# Altium PCB PCB1.PcbDoc (part 1 of 2) (continued)
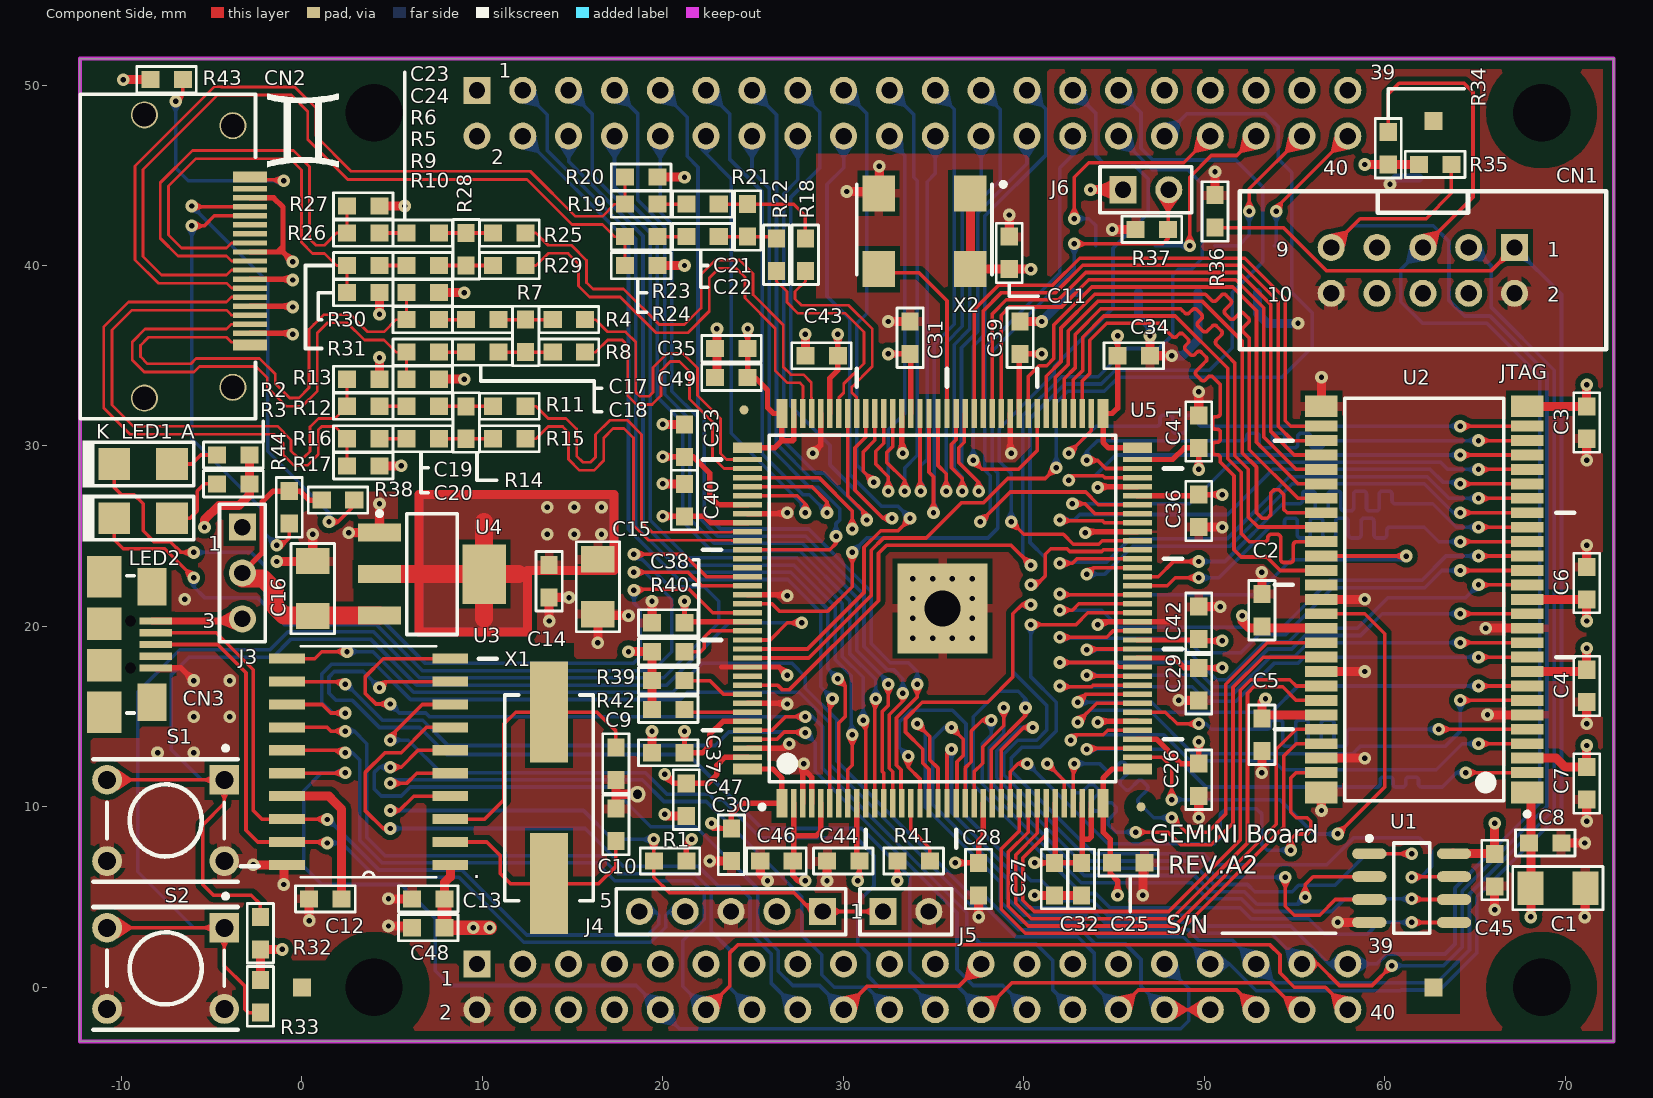
[diagram p0: Component Side view]
## Footprints (in the part's own frame and the unit in brackets; to place one, negate y for a bottom-side part, rotate by r counter-clockwise, add the part's x,y. Pads: shape width x height; smd on the part's side, far side on the other; paste and mask are expansions set on the pad)
10029449-001RLF [mm]
  rect 0.6x1.9 smd paste+0 mask+0.1: 1(4.9,2.925) 19(-4.4,2.925)
  rect 0.3x1.9 smd paste+0 mask+0.1: 2(4.25,2.925) 3(3.75,2.925) 4(3.25,2.925) 5(2.75,2.925) 6(2.25,2.925) 7(1.75,2.925) 8(1.25,2.925) 9(0.75,2.925) 10(0.25,2.925) 11(-0.25,2.925) 12(-0.75,2.925) 13(-1.25,2.925) 14(-1.75,2.925) 15(-2.25,2.925) 16(-2.75,2.925) 17(-3.25,2.925) 18(-3.75,2.925)
  round 1.5 hole 1.3 paste+0 mask+0.1: ""(-7.85,-2.925) ""(-7.25,1.975) ""(7.25,1.975) ""(7.85,-2.925)
  silkscreen extent -9,-6.47 9,3.23, body extent -8.1,-6.57 8.1,3.33, height 5.98
ABLS-25.000MHZ-B2F-T [mm]
  rect 5.6x2.1 smd mask+0.1: 1(-4.75,0) 2(4.75,0)
  silkscreen extent -5.7,-2.45 5.7,2.45, body extent -5.5,-2.5 5.5,2.5, height 4.2
CHIP1608 [mm] "Chip Resistor, 2-Leads, Body 1.60x0.80mm, IPC Low Density"
  rect 1x0.95 smd mask+0.1: 1(-0.9,0) 2(0.9,0)
  Component Side pour cut-out: -0.4,0.729 -0.4,-0.729 0.4,-0.729 0.4,0.729
  silkscreen extent -1.65,-0.72 1.65,0.72, body extent -0.8,-0.4 0.8,0.4, height 0.45
CHIP3216 [mm] "Chip Capacitor, 2-Leads, Body 3.20x1.60mm, IPC Low Density"
  rect 1.45x1.85 smd: 1(-1.525,0) 2(1.525,0)
  Component Side pour cut-out: -0.8,1.179 -0.8,-1.179 0.8,-1.179 0.8,1.179
  silkscreen extent -2.5,-1.2 2.5,1.2, body extent -1.6,-0.8 1.6,0.8, height 0.6
CWX823-50.0M [mm]
  rect 1.8x2 smd: 1(-2.54,-2.1) 2(2.54,-2.1) 3(2.54,2.1) 4(-2.54,2.1)
  silkscreen extent -4.49,-2.72 3.76,2.4, body extent -3.5,-2.5 3.5,2.5, height 1.3
HDR1X2 [mm] "Connector; Header; 2 Position"
  rect 1.5x1.5 hole 0.9: 1(0,0)
  round 1.5 hole 0.9: 2(2.54,0)
  silkscreen extent -1.27,-1.27 3.81,1.27, body extent -1.29,-1.15 3.79,1.26, height 8.18
HDR1X3 [mm] "Connector; Header; 3 Position"
  rect 1.5x1.5 hole 0.9 paste+0 mask+0.1: 1(0,0)
  round 1.5 hole 0.9 paste+0 mask+0.1: 2(2.54,0) 3(5.08,0)
  silkscreen extent -1.27,-1.27 6.35,1.27, body extent -1.27,-1.21 6.35,1.21, height 8.18
HDR1X5 [mm] "Connector; Header; 5 Position"
  rect 1.5x1.5 hole 0.9: 1(0,0)
  round 1.5 hole 0.9: 2(2.54,0) 3(5.08,0) 4(7.62,0) 5(10.16,0)
  silkscreen extent -1.27,-1.27 11.43,1.27
HDR2X20-Gemini [mm] "Connector; Header; 20x2 Position"
  rect 1.5x1.5 hole 0.9: 1(0,0)
  round 1.5 hole 0.9: 2(0,2.54) 3(2.54,0) 4(2.54,2.54) 5(5.08,0) 6(5.08,2.54) 7(7.62,0) 8(7.62,2.54) 9(10.16,0) 10(10.16,2.54) 11(12.7,0) 12(12.7,2.54) 13(15.24,0) 14(15.24,2.54) 15(17.78,0) 16(17.78,2.54) 17(20.32,0) 18(20.32,2.54) 19(22.86,0) 20(22.86,2.54) 21(25.4,0) 22(25.4,2.54) 23(27.94,0) 24(27.94,2.54) 25(30.48,0) 26(30.48,2.54) 27(33.02,0) 28(33.02,2.54) 29(35.56,0) 30(35.56,2.54) 31(38.1,0) 32(38.1,2.54) 33(40.64,0) 34(40.64,2.54) 35(43.18,0) 36(43.18,2.54) 37(45.72,0) 38(45.72,2.54) 39(48.26,0) 40(48.26,2.54)
  silkscreen extent -1.27,-1.27 49.53,3.81, body extent -1.23,-1.09 49.55,3.74, height 7.54
LED3216 [mm] "Molded Diode, 2-Leads, Body 3.20x1.60mm, IPC Low Density"
  rect 1.75x1.75 smd: 1(-1.6,0) 2(1.6,0)
  Component Side pour cut-out: -1.2,0.875 -1.2,-0.875 1.2,-0.875 1.2,0.875
  silkscreen extent -2.8,-1.3 3.35,1.3, body extent -1.6,-0.8 1.6,0.8, height 1
MRUMRB05FTKTY-30U [mm]
  rect 0.4x1.8 smd paste+0 mask+0.1: 1(-1.3,0.2) 2(-0.65,0.2) 3(0,0.2) 4(0.65,0.2) 5(1.3,0.2)
  rect 2.3x1.9 smd paste+0 mask+0.1: 6(-3.75,-2.65) 7(3.75,-2.65)
  rect 2.1x1.6 smd paste+0 mask+0.1: ""(-3.2,0) ""(3.2,0)
  round 0 hole 0.6: ""(-1.3,-1.2) ""(1.3,-1.2)
  rect 1.8x1.9 smd paste+0 mask+0.1: ""(-1.15,-2.65) ""(1.15,-2.65)
  silkscreen extent -3.8,-1.4 3.8,-1, body extent -3.96,-5.36 3.96,0.3, height 2.79
PIC18F14K50-SO [mil]
  rect 78x22.08 smd: 1(-178,225) 2(-178,175) 3(-178,125) 4(-178,75) 5(-178,25) 6(-178,-25) 7(-178,-75) 8(-178,-125) 9(-178,-175) 10(-178,-225) 11(178,-225) 12(178,-175) 13(178,-125) 14(178,-75) 15(178,-25) 16(178,25) 17(178,75) 18(178,125) 19(178,175) 20(178,225)
  silkscreen extent -280,-252 280,252, body extent -148,-252 148,252, height 104
SCP10GS31/RH [mm]
  rect 1.5x1.5 hole 0.9: 1(0,0)
  round 1.5 hole 0.9: 2(0,2.54) 3(2.54,0) 4(2.54,2.54) 5(5.08,0) 6(5.08,2.54) 7(7.62,0) 8(7.62,2.54) 9(10.16,0) 10(10.16,2.54)
  silkscreen extent -5.08,-3.11 15.24,5.65, body extent -4.86,-3.22 15.06,6.04, height 9.32
SOIC8_L [mm] "SOIC, 8-Leads, Body 4.9x3.9mm, Pitch 1.27mm, IPC High Density"
  oval 1.9x0.6 smd: 1(-2.35,1.905) 2(-2.35,0.635) 3(-2.35,-0.635) 4(-2.35,-1.905) 5(2.35,-1.905) 6(2.35,-0.635) 7(2.35,0.635) 8(2.35,1.905)
  silkscreen extent -2.47,-2.5 1,2.88, body extent -1.95,-2.45 1.95,2.45, height 1.75
SOT-23 [mm] "SOT23, 3-Leads, Body 2.90x2.45mm, Pitch 0.95mm, IPC Low Density"
  rect 1.2x0.65 smd: 1(-1.3,0.95) 2(-1.3,-0.95) 3(1.3,0)
  Component Side pour cut-out: -0.7,1.275 -0.7,-1.275 0.7,-1.275 0.7,1.275
  silkscreen extent -2.8,-1.5 0.7,1.5, body extent -0.7,-1.5 0.7,1.5, height 1.1
SOT-223_N [mm] "SOT223, 4-Leads, Body 6.5x3.5mm, Pitch 2.3mm, Lead Span 7mm, IPC Medium Density"
  rect 2.4x1 smd: 1(-2.9,2.3) 2(-2.9,0) 3(-2.9,-2.3)
  rect 2.4x3.3 smd: 4(2.9,0)
  silkscreen extent -3.02,-3.35 1.4,3.47, body extent -1.85,-3.35 1.85,3.35, height 1.8
"TACK_SW 6x6mm" [mm]
  rect 1.65x1.65 hole 1: 1(0,0)
  round 1.65 hole 1: 2(6.5,0) 3(0,4.5) 4(6.5,4.5)
  silkscreen extent -0.75,-1.87 7.25,5.65, body extent -0.65,-0.74 7.15,5.25, height 5.5
TEST2 [mm] "TSQFP, 144-Leads, Body 20.00x20.00mm, Pitch 0.50mm, Thermal Pad 5.00x5.00mm, IPC Low Density"
  rect 1.6x0.6 smd paste+0 mask+0.1: 1(-10.8,8.9) 36(-10.8,-8.9) 73(10.8,-8.9) 108(10.8,8.9)
  rect 1.6x0.3 smd paste+0 mask+0.1: 2(-10.8,8.25) 3(-10.8,7.75) 4(-10.8,7.25) 5(-10.8,6.75) 6(-10.8,6.25) 7(-10.8,5.75) 8(-10.8,5.25) 9(-10.8,4.75) 10(-10.8,4.25) 11(-10.8,3.75) 12(-10.8,3.25) 13(-10.8,2.75) 14(-10.8,2.25) 15(-10.8,1.75) 16(-10.8,1.25) 17(-10.8,0.75) 18(-10.8,0.25) 19(-10.8,-0.25) 20(-10.8,-0.75) 21(-10.8,-1.25) 22(-10.8,-1.75) 23(-10.8,-2.25) 24(-10.8,-2.75) 25(-10.8,-3.25) 26(-10.8,-3.75) 27(-10.8,-4.25) 28(-10.8,-4.75) 29(-10.8,-5.25) 30(-10.8,-5.75) 31(-10.8,-6.25) 32(-10.8,-6.75) 33(-10.8,-7.25) 34(-10.8,-7.75) 35(-10.8,-8.25) 74(10.8,-8.25) 75(10.8,-7.75) 76(10.8,-7.25) 77(10.8,-6.75) 78(10.8,-6.25) 79(10.8,-5.75) 80(10.8,-5.25) 81(10.8,-4.75) 82(10.8,-4.25) 83(10.8,-3.75) 84(10.8,-3.25) 85(10.8,-2.75) 86(10.8,-2.25) 87(10.8,-1.75) 88(10.8,-1.25) 89(10.8,-0.75) 90(10.8,-0.25) 91(10.8,0.25) 92(10.8,0.75) 93(10.8,1.25) 94(10.8,1.75) 95(10.8,2.25) 96(10.8,2.75) 97(10.8,3.25) 98(10.8,3.75) 99(10.8,4.25) 100(10.8,4.75) 101(10.8,5.25) 102(10.8,5.75) 103(10.8,6.25) 104(10.8,6.75) 105(10.8,7.25) 106(10.8,7.75) 107(10.8,8.25)
  rect 0.6x1.6 smd paste+0 mask+0.1: 37(-8.9,-10.8) 72(8.9,-10.8) 109(8.9,10.8) 144(-8.9,10.8)
  rect 0.3x1.6 smd paste+0 mask+0.1: 38(-8.25,-10.8) 39(-7.75,-10.8) 40(-7.25,-10.8) 41(-6.75,-10.8) 42(-6.25,-10.8) 43(-5.75,-10.8) 44(-5.25,-10.8) 45(-4.75,-10.8) 46(-4.25,-10.8) 47(-3.75,-10.8) 48(-3.25,-10.8) 49(-2.75,-10.8) 50(-2.25,-10.8) 51(-1.75,-10.8) 52(-1.25,-10.8) 53(-0.75,-10.8) 54(-0.25,-10.8) 55(0.25,-10.8) 56(0.75,-10.8) 57(1.25,-10.8) 58(1.75,-10.8) 59(2.25,-10.8) 60(2.75,-10.8) 61(3.25,-10.8) 62(3.75,-10.8) 63(4.25,-10.8) 64(4.75,-10.8) 65(5.25,-10.8) 66(5.75,-10.8) 67(6.25,-10.8) 68(6.75,-10.8) 69(7.25,-10.8) 70(7.75,-10.8) 71(8.25,-10.8) 110(8.25,10.8) 111(7.75,10.8) 112(7.25,10.8) 113(6.75,10.8) 114(6.25,10.8) 115(5.75,10.8) 116(5.25,10.8) 117(4.75,10.8) 118(4.25,10.8) 119(3.75,10.8) 120(3.25,10.8) 121(2.75,10.8) 122(2.25,10.8) 123(1.75,10.8) 124(1.25,10.8) 125(0.75,10.8) 126(0.25,10.8) 127(-0.25,10.8) 128(-0.75,10.8) 129(-1.25,10.8) 130(-1.75,10.8) 131(-2.25,10.8) 132(-2.75,10.8) 133(-3.25,10.8) 134(-3.75,10.8) 135(-4.25,10.8) 136(-4.75,10.8) 137(-5.25,10.8) 138(-5.75,10.8) 139(-6.25,10.8) 140(-6.75,10.8) 141(-7.25,10.8) 142(-7.75,10.8) 143(-8.25,10.8)
  rect 5x5 smd paste+0 mask+0.1: 145(0,0)
  round 0.5 smd paste+0 mask+0.5: FIDUCIAL(-11,-11) FIDUCIAL(11,11)
  silkscreen extent -13.28,-13.28 13.28,13.28, body extent -10,-10 10,10, height 1.5
TSOP2-54_M [mm] "SOP, 54-Leads, Body 22.2x10.16mm, Pitch 0.8mm, IPC Low Density"
  rect 1.8x1.2 smd paste+0 mask+0.1: 1(-5.7,10.7) 27(-5.7,-10.7) 28(5.7,-10.7) 54(5.7,10.7)
  rect 1.8x0.6 smd paste+0 mask+0.1: 2(-5.7,9.6) 3(-5.7,8.8) 4(-5.7,8) 5(-5.7,7.2) 6(-5.7,6.4) 7(-5.7,5.6) 8(-5.7,4.8) 9(-5.7,4) 10(-5.7,3.2) 11(-5.7,2.4) 12(-5.7,1.6) 13(-5.7,0.8) 14(-5.7,0) 15(-5.7,-0.8) 16(-5.7,-1.6) 17(-5.7,-2.4) 18(-5.7,-3.2) 19(-5.7,-4) 20(-5.7,-4.8) 21(-5.7,-5.6) 22(-5.7,-6.4) 23(-5.7,-7.2) 24(-5.7,-8) 25(-5.7,-8.8) 26(-5.7,-9.6) 29(5.7,-9.6) 30(5.7,-8.8) 31(5.7,-8) 32(5.7,-7.2) 33(5.7,-6.4) 34(5.7,-5.6) 35(5.7,-4.8) 36(5.7,-4) 37(5.7,-3.2) 38(5.7,-2.4) 39(5.7,-1.6) 40(5.7,-0.8) 41(5.7,0) 42(5.7,0.8) 43(5.7,1.6) 44(5.7,2.4) 45(5.7,3.2) 46(5.7,4) 47(5.7,4.8) 48(5.7,5.6) 49(5.7,6.4) 50(5.7,7.2) 51(5.7,8) 52(5.7,8.8) 53(5.7,9.6)
  silkscreen extent -8.3,-11.15 8.3,12.02, body extent -5.08,-11.11 5.08,11.11, height 1.2

## Part data
C1 C2 C3 C4 C5 C6 C7 C8 C9 C10 C11 C12 C13 C14 C15 C16 C17 C18 C19 C20 C21 C22 C23 C24 C25 C26 C27 C28 C29 C30 C31 C32 C33 C34 C35 C36 C37 C38 C39 C40 C41 C42 C43 C44 C45 C46 C47 C48 C49: library part "Cap Semi", "Capacitor (Semiconductor SIM Model)"
CN1: "GTK"
CN2: library part HDMI_Connector
CN3: library part MicroUSBTypeB, "MicroUSBTypeB"
J1 J2: library part "Header 20X2", "Header, 20-Pin, Dual row"
J3: library part "Header 3", "Header, 3-Pin"
J4: library part "Header 5", "Header, 5-Pin"
J5 J6: library part "Header 2", "Header, 2-Pin"
LED1 LED2: library part LED2, "OASISTEK (TO-3216BC-MAE)"
Q1 Q2 Q3 Q4: "NPN General Purpose Amplifier"
R1 R2 R3 R4 R5 R6 R7 R8 R9 R10 R11 R12 R13 R14 R15 R16 R17 R18 R19 R20 R21 R22 R23 R24 R25 R26 R27 R28 R29 R30 R31 R32 R33 R34 R35 R36 R37 R38 R39 R40 R41 R42 R43 R44: library part Res3, "Resistor"
S1 S2: "WEALTH METAL"
U1: library part EPCS1SI8, "ALTERA EPCS1 Series, In-system programmable 3.3V serial configuration device, 8-Pin SOIC, 1-Megabit, Industrial Grade"
U2: library part MT48LC16M16A2TG-75, "MICRON"
U3: library part PIC18F14K50, "MICROCHIPS"
U4: "1A, Low Drop Positive Voltage Regulator, 3.3V, 4-Pin SOT-223, Tape and Reel"
U5: library part MAX10, "MAX10"
X1: library part ABLS-25.000MHZ-B2F-T, "MEC"
X2: library part CWX823-50.0M, "CONNOR-WINFIELD"

## Free pads (board coordinates)
  round 1.27 hole 3.175: NPTH(4,0) NPTH(4,48.47) NPTH(68.7,48.47)
  round 0 hole 3.175: NPTH(68.7,0)
  rect 1x1 smd paste-1 mask+1: ""(0,0) ""(62.7,0) ""(62.7,48)

## Via types
v1: diameter 0.7, hole 0.3, Component Side to Solder Side, 281 vias
v2: diameter 3, hole 2, Component Side to Solder Side, 1 vias
v3: diameter 0.9, hole 0.5, Component Side to Solder Side, 1 vias

## Nets (pads, with @x,y where several pads share a name; then routed paths per layer and width w, separated by ;. In a path a pad name is that pad's centre, name@x,y a point inside that pad or via, vN(x,y) a via of type N, cw(c..) or ccw(c..) an arc to the next point about the centre after c; other vN are vias at no path point)
3_3V: C1.2 C2.2 C3.2 C4.2 C5.2 C6.2 C7.2 C8.2 C11.2 C13.2 C14.2 C15.2 C25.1 C26.1 C27.1 C28.1 C29.1 C30.1 C31.1 C32.1 C33.1 C34.1 C35.1 C36.1 C37.1 C38.1 C39.1 C40.1 C41.1 C42.1 C43.1 C44.1 C45.2 C46.1 C47.1 C48.2 C49.1 CN1.4 J1.33 J1.35 J1.37 J1.39 J2.3 J2.4 J4.2 J6.1 R1.1 R2.1 R3.1 R32.1 R33.1 R34.1 R35.1 R39.1 R40.1 R41.1 R42.1 U1.8 U2.1 U2.3 U2.9 U2.14 U2.27 U2.43 U2.49 U3.1 U4.2 U4.4 U5.1 U5.2 U5.5 U5.9 U5.23 U5.31 U5.34 U5.35 U5.36 U5.37 U5.40 U5.49 U5.51 U5.67 U5.71 U5.72 U5.73 U5.82 U5.94 U5.103 U5.107 U5.108 U5.109 U5.115 U5.117 U5.128 U5.139 U5.143 U5.144 X2.1 X2.4 | length 290.8
  Component Side w0.2: C42.1@49.65,19.25 C42.1@49.7,19.3
  Component Side w0.3: v1(20,26.1) C40.1@21.2,26.1 22.3,26.1 22.65,25.75 U5.117@24.7,25.75 ; v1(20,29.4) C33.1@21.2,29.4 21.7,29.4 22.6,28.5 22.6,27.2 23.05,26.75 U5.115@24.7,26.75 ; v1(20.1,11.8) 20.6,11.3 C47.1@21.3,11.3 22.5,11.3 23,11.8 23,12.3 23.45,12.75 U5.143@24.7,12.75 ; v1(21.2,14.2) C37.1@21.2,13 22.2,13 22.6,13.4 22.6,14 23.35,14.75 U5.139@24.7,14.75 ; C38.1@21.2,20.2 v1(21.2,21.4) ; C38.1@21.25,20.25 U5.128@24.7,20.25 ; R1.1@21.3,7 21.3,7.9 v1(21.6,8.2) ; v1(22.7,9.1) 22.7,8.9 22.8,8.8 C30.1@23.8,8.8 23.8,9.6 24.4,10.2 U5.1@26.6,10.2 26.6,11.6 26.1,12.1 U5.144@24.7,12.1 ; U5.109@24.7,29.9 26.2,29.9 26.6,30.3 ; C49.1@24.7,33.8 25.1,33.8 25.8,33.1 25.8,32.125 26.125,31.8 U5.108@26.6,31.8 26.6,30.3 ; C49.1@24.7,33.9 C35.1@24.7,35 ; C35.1@24.7,35.4 v1(24.7,36.5) ; U5.2@27.25,10.2 27.25,8.4 ; U5.107@27.25,31.8 27.25,30.35 27.2,30.3 26.6,30.3 ; v1(27.9,5.9) 27.5,5.9 27.2,6.2 C46.1@27.2,7 27.25,7.05 27.25,8.4 ; U5.5@28.75,10.2 28.75,8.65 28.5,8.4 27.25,8.4 ; U5.103@29.25,31.8 29.25,33.75 29.7,34.2 v1(29.7,36.2) ; U5.9@30.75,10.2 30.75,7.15 C44.1@30.9,7 30.9,6 v1(30.8,5.9) ; v1(32.5,35.1) C31.1@33.7,35.1 33.75,35.05 U5.94@33.75,31.8 ; v1(33,5.9) R41.1@33,7 ; v1(36.2,6.9) C28.1@37.5,6.9 37.5,8.1 37.75,8.35 U5.23@37.75,10.2 ; U5.82@39.75,31.8 39.75,35.05 C39.1@39.8,35.1 v1(41,35.1) ; v1(40.6,6.9) 43.25,6.9 C32.1@43.25,6.95 ; C27.1@41.7,6.9 41.75,6.95 U5.31@41.75,10.2 ; C32.1@43.2,6.9 C32.1@43.25,6.95 ; U5.34@43.25,10.2 43.25,8.2 ; U5.35@43.75,10.2 43.75,8.35 43.6,8.2 43.25,8.2 ; v1(45.2,5.1) 45.2,5.9 44.8,6.3 44.8,7 44.8,8.2 44.4,8.6 U5.36@44.4,10.2 44.4,11.6 44.9,12.1 U5.37@46.3,12.1 ; v1(45.2,36.1) C34.1@45.2,35 45.2,32.1 44.9,31.8 U5.73@44.4,31.8 44.4,30.2 44.7,29.9 U5.72@46.3,29.9 ; U5.40@46.3,13.75 47.35,13.75 48.7,12.4 C26.1@49.7,12.4 v1(49.7,13.6) ; U5.49@46.3,18.25 48.35,18.25 48.9,17.7 v1(51,17.7) ; U5.51@46.3,19.25 C42.1@49.65,19.25 ; U5.67@46.3,27.25 C36.1@49.65,27.25 ; U5.71@46.3,29.25 48.25,29.25 48.9,29.9 C41.1@49.7,29.9 v1(49.7,28.7) ; C36.1@49.7,27.3 v1(51,27.3) ; C42.1@49.8,19.2 v1(51,19.2) ; C32.1@43.25,6.95 43.25,8.2
  Component Side w0.5: v1(-5.4,25.5) -5.4,25.9 -4.6,26.7 -3.5,26.7 -2.9,27.3 R3.1@-2.9,27.9 R2.1@-2.9,29.5 ; R33.1@-2.3,0.4 R32.1@-2.3,2.1 v1(-1.1,2.1) ; C13.2@7.9,4.9 7.9,5.8 8.221,6.121 U3.1@8.221,6.785 ; U4.4@10.1,23.5 U4.4@10.2,23.4 ; v1(18.1,18.6) R40.1@19.4,18.6 R42.1@19.4,15.4 ; X2.1@37.04,44 X2.4@37.04,39.8 v1(40.4,39.8) ; v1(43.7,44.2) J6.1@45.5,44.2 ; v1(52.1,20.6) 52.1,20.3 52.5,19.9 U2.43@56.5,19.9 ; C5.2@53.2,14.9 53.2,15.8 v1(53.4,16) ; C5.2@53.4,15.1 U2.49@56.5,15.1 ; v1(58.9,45.6) R34.1@60.2,45.6 R35.1@61.9,45.6 ; U1.8@63.8,7.455 U1.8@63.85,7.405 66.095,7.405 66.095,9.095 v1(66.1,9.1) ; U2.1@67.9,10.8 68.1,10.6 v1(68.1,3.9) ; U2.3@67.9,12.7 69.5,12.7 70,12.2 C7.2@71.2,12.2 v1(71.2,13.4) ; U2.9@67.9,17.5 71.1,17.5 C4.2@71.2,17.6 v1(71.2,18.8) ; U2.14@67.9,21.5 C6.2@71.2,21.5 v1(71.2,20.3) ; U2.27@67.9,32.2 C3.2@71.2,32.2 v1(71.2,33.4) ; 6.5,19.7 6.5,27.3 17.3,27.3 17.3,23.1 12.5,23.1 12.5,19.7 6.5,19.7
  Component Side w0.8: C13.2@7.9,4.9 C48.2@7.9,3.3 v1(9.5,3.3) v1(10.4,3.3)
  Component Side w1: U4.2@4.3,22.9 U4.4@10.1,22.9 ; 10.1,20.45 U4.4@10.1,22.9 ; 10.1,25.775 10.1,23.5 U4.4@10.1,22.9 ; 12,22.9 U4.4@10.1,22.9
  Solder Side w0.5: 6.5,19.7 12.5,19.7 12.5,23.1 17.3,23.1 17.3,27.3 6.5,27.3 6.5,19.7
  other v1: 13.6,25.1 15.1,25.1 16.6,25.1 13.6,26.6 15.1,26.6 16.6,26.6
5V: C16.2 J3.2 R38.1 R44.1 U4.3 | length 17.1
  Component Side w0.3: J3.2@-3.3,22.96 -2.2,24.06 -2.2,26.9 -1.6,27.5 R44.1@-0.7,27.5 -0.1,27.5 0.4,27 R38.1@1.1,27
  Component Side w1: J3.2@-3.3,22.66 -2.16,22.66 -1.5,22 -1.5,21.1 -1,20.6 U4.3@4.3,20.6
5V_IN: J2.7 J2.8 J3.1
CLK: U5.90 X2.3 | length 10.7
  Component Side w0.2: X2.3@31.96,39.6 34.2,39.6 35.75,38.05 U5.90@35.75,31.8
CONF_SEL: J6.2 R37.1 U5.126 | length 42.8
  Component Side w0.2: U5.126@24.7,21.25 26.05,21.25 26.45,20.85 29.15,20.85 30.5,22.2 v1(30.5,24.1) ; v1(42.8,41.2) 47.7,41.2 48,41.5 R37.1@48,42 J6.2@48,44.16
  Solder Side w0.2: v1(30.5,24.1) 31.3,24.9 38.019,24.9 38.55,25.431 38.55,28.516 38.25,28.816 38.25,35.25 42.8,39.8 v1(42.8,41.2)
CONF_TCK: CN1.1 J2.33 R36.1 U5.18 | length 106.2
  Component Side w0.2: v1(34.1,14.6) 34.8,13.9 34.8,12.6 35.25,12.15 U5.18@35.25,10.2 ; R36.1@50.6,42.1 54.4,42.1 56.8,39.7 65.9,39.7 CN1.1@67.2,41
  Solder Side w0.2: v1(34.1,14.6) 34.55,14.15 34.55,9.984 38.7,5.834 38.7,4.769 39.869,3.6 43.331,3.6 44.131,2.8 48.84,2.8 J2.33@50.34,1.3 51.395,1.3 52.885,-0.19 60.876,-0.19 60.916,-0.15 63.047,-0.15 65.103,1.906 65.103,5.003 69.8,9.7 69.8,38.4 CN1.1@67.2,41
CONF_TDI: CN1.9 J2.37 R35.2 U5.19 | length 101.4
  Component Side w0.2: U5.19@35.75,10.2 35.75,12.95 v1(36,13.2) ; J2.37@55.42,1.3 56.3,1.3 57.5,0.1 59.3,0.1 v1(60.4,1.2) ; CN1.9@57.04,41 58.64,42.6 62.3,42.6 63.7,44 R35.2@63.7,45.6
  Solder Side w0.2: v1(36,13.2) 36,9.7 39.5,6.2 39.5,5.1 40.2,4.4 43.663,4.4 44.463,3.6 49.272,3.6 49.872,3 53.72,3 J2.37@55.42,1.3 ; CN1.9@57.04,41 58.24,42.2 62.7,42.2 63.57,41.33 63.57,38.065 64.435,37.2 65.834,37.2 69,34.034 69,10.031 64.303,5.334 64.303,2.237 63.266,1.2 v1(60.4,1.2)
CONF_TDO: CN1.3 J2.35 U5.20 | length 87.8
  Component Side w0.2: v1(36,14.4) 36.65,13.75 36.65,12.85 36.3,12.5 36.3,10.25 U5.20@36.25,10.2
  Solder Side w0.2: v1(36,14.4) 35.6,14.4 34.95,13.75 34.95,10.15 39.1,6 39.1,4.934 40.034,4 43.497,4 44.297,3.2 49.106,3.2 49.706,2.6 51.58,2.6 53.93,0.25 62.881,0.25 64.703,2.071 64.703,5.168 69.4,9.866 69.4,34.2 65.9,37.7 65.9,40 64.9,41 CN1.3@64.66,41
CONF_TMS: CN1.5 J2.39 R34.2 U5.16 | length 108.6
  Component Side w0.2: v1(33.6,12.8) 33.6,12.2 34.25,11.55 U5.16@34.25,10.2 ; R34.2@60.2,47.4 60.2,49.5 60.8,50.1 64.4,50.1 64.9,49.6 64.9,43.78 CN1.5@62.12,41
  Solder Side w0.2: v1(33.6,12.8) 33.1,13.3 33.1,14.7 33.75,15.35 36.05,15.35 36.8,14.6 36.8,9.5 40.4,5.9 41,5.9 42.1,4.8 43.828,4.8 44.628,4 49.437,4 50.037,3.4 54.805,3.4 56.905,1.3 59.581,1.3 60.131,1.85 63.35,1.85 63.903,2.403 63.903,5.5 68.6,10.197 68.6,33.869 65.669,36.8 62.1,36.8 60.9,38 60.9,39.78 CN1.5@62.12,41
CRC_ERROR: U5.134
DEV_CLRN: U5.121
DEV_OE: U5.122
DVI_CLK_N: R29.1 U5.106 | length 27.1
  Component Side w0.152: R29.1@12.4,40 12.975,40 13.65,40.675 14.75,40.675 15.325,40.1 15.325,38.864 15.939,38.25 17.639,38.25 19.614,36.275 21.386,36.275 22.575,37.464 22.575,39.314 23.111,39.85 24.064,39.85 24.55,39.364 24.55,38.2 26.225,36.525 26.225,34.189 26.914,33.5 27.6,33.5 27.775,33.325 27.775,32.7 27.75,32.675 U5.106@27.75,31.8
DVI_CLK_P: R25.1 U5.105 | length 27.8
  Component Side w0.152: R25.1@12.4,41.8 12.975,41.8 13.65,41.125 14.936,41.125 15.775,40.286 15.775,39.05 16.125,38.7 17.825,38.7 19.8,36.725 21.2,36.725 22.125,37.65 22.125,39.5 22.925,40.3 24.25,40.3 25,39.55 25,38.386 26.675,36.711 26.675,34.375 27.1,33.95 27.786,33.95 28.225,33.511 28.225,32.7 28.25,32.675 U5.105@28.25,31.8
DVI_D0_N: R22.1 U5.102 | length 12
  Component Side w0.152: R22.1@26.3,39.7 26.3,39.125 26.875,38.55 26.875,37.964 27.489,37.35 30.114,37.35 31.15,36.314 31.15,34.575 30.025,33.45 30.025,32.95 29.75,32.675 U5.102@29.75,31.8
DVI_D0_P: R18.1 U5.100 | length 12
  Component Side w0.152: R18.1@27.9,39.7 27.9,39.125 27.325,38.55 27.325,38.15 27.675,37.8 30.3,37.8 31.6,36.5 31.6,34.389 30.475,33.264 30.475,32.95 30.75,32.675 U5.100@30.75,31.8
DVI_D1_N: R15.1 U5.119 | length 21.6
  Component Side w0.152: R15.1@12.4,30.4 12.975,30.4 13.65,31.075 14.45,31.075 14.775,30.75 14.775,29.264 15.389,28.65 16.186,28.65 16.725,29.189 16.725,30.45 17.25,30.975 17.85,30.975 18.375,30.45 18.375,25.6 19.2,24.775 23.8,24.775 23.825,24.75 U5.119@24.7,24.75
DVI_D1_P: R11.1 U5.118 | length 21.6
  Component Side w0.152: R11.1@12.4,32.2 12.975,32.2 13.65,31.525 14.636,31.525 15.225,30.936 15.225,29.45 15.575,29.1 16,29.1 16.275,29.375 16.275,30.636 17.064,31.425 18.036,31.425 18.825,30.636 18.825,25.786 19.386,25.225 23.8,25.225 23.825,25.25 U5.118@24.7,25.25
DVI_D2_N: R8.1 U5.111 | length 18.7
  Component Side w0.152: R8.1@15.7,35.2 16.275,35.2 16.95,35.875 17.75,35.875 18.05,35.575 18.05,32.789 18.539,32.3 19.411,32.3 19.9,32.789 19.9,34.164 20.411,34.675 20.925,34.675 21.475,34.125 21.475,32.614 22.75,31.339 22.75,29.4 23.4,28.75 U5.111@24.7,28.75
DVI_D2_P: R4.1 U5.110 | length 18.6
  Component Side w0.152: R4.1@15.7,37 16.275,37 16.95,36.325 17.936,36.325 18.5,35.761 18.5,32.975 18.725,32.75 19.225,32.75 19.45,32.975 19.45,34.35 20.225,35.125 21.111,35.125 21.925,34.311 21.925,32.8 23.2,31.525 23.2,29.586 23.536,29.25 U5.110@24.7,29.25
GND: C1.1 C2.1 C3.1 C4.1 C5.1 C6.1 C7.1 C8.1 C9.1 C10.1 C11.1 C12.1 C13.1 C14.1 C15.1 C16.1 C25.2 C26.2 C27.2 C28.2 C29.2 C30.2 C31.2 C32.2 C33.2 C34.2 C35.2 C36.2 C37.2 C38.2 C39.2 C40.2 C41.2 C42.2 C43.2 C44.2 C45.1 C46.2 C47.2 C48.1 C49.2 CN1.2 CN1.10 CN2.2 CN2.5 CN2.8 CN2.11 CN2.17 CN3.5 J1.1 J1.2 J2.1 J2.2 J4.3 J5.2 Q1.2 Q2.2 Q3.2 Q4.2 R6.1 R10.1 R13.1 R17.1 R20.1 R24.1 R27.1 R31.1 R36.2 R37.2 R43.2 S1.3 S1.4 S2.3 S2.4 U1.4 U2.6 U2.12 U2.28 U2.41 U2.46 U2.52 U2.54 U3.20 U4.1 U5.3 U5.4 U5.42 U5.53 U5.63 U5.68 U5.83 U5.95 U5.104 U5.116 U5.125 U5.133 U5.137 U5.142 U5.145 X2.2 | length 166.2
  Component Side w0.3: CN3.5@-8.3,17.7 -6.7,17.7 v1(-6,17) ; CN2.2@-2.875,36.25 v1@-0.55,36.25 ; CN2.5@-2.875,37.75 v1@-0.55,37.75 ; CN2.8@-2.875,39.25 v1@-0.55,39.25 ; CN2.11@-2.875,40.75 -1.35,40.75 ; CN2.17@-2.875,43.75 -1.563,43.75 -1.05,43.237 -1.05,41.05 ; -1.05,42.05 -1.05,41.05 ; v1(-0.5,40.2) -1.05,40.75 ; 23.25,17.75 U5.133@24.7,17.75 26.45,17.75 v1(26.9,17.3) ; U5.142@24.7,13.25 26.75,13.25 v1(27,13.5) ; U5.137@24.7,15.75 v1@26.85,15.75 ; U5.125@24.7,21.75 v1@26.85,21.75 ; U5.116@24.7,26.25 v1@26.85,26.25 ; U5.3@27.75,10.2 27.75,11.9 ; v1@27.75,12.35 27.75,11.9 ; U5.4@28.25,10.2 28.25,11.65 28,11.9 27.75,11.9 ; v1(28.3,29.6) 28.75,30.05 U5.104@28.75,31.8 ; v1@33.25,29.65 U5.95@33.25,31.8 ; v1@39.25,29.65 U5.83@39.25,31.8 ; v1@43.45,25.25 U5.63@46.3,25.25 ; v1@44.15,14.75 U5.42@46.3,14.75 ; v1@44.15,27.75 U5.68@46.3,27.75 ; v1@44.25,20.25 U5.53@46.3,20.25 48.05,20.25 ; -1.35,40.75 -1.05,40.75 ; -1.35,40.75 -1.05,41.05 ; -1.05,40.75 -1.05,41.05
  Component Side w0.5: v1(-9.9,50.3) R43.2@-8.4,50.3 ; v1@-2.685,6.785 U3.20@-0.821,6.785 ; v1(-1.4,23.6) C16.1@0.575,23.6 ; v1(-1,5.7) U3.20@-1,6.606 ; v1(0.4,3.7) C12.1@0.4,4.9 ; C16.1@0.6,23.625 v1(0.6,25.1) ; v1(2.6,25.2) U4.1@4.3,25.2 v1(4.3,26.8) ; R17.1@4.3,28.9 v1(5.5,28.9) ; R13.1@4.3,33.7 v1(4.3,34.9) ; v1(4.3,37.3) R31.1@4.3,38.5 ; R27.1@4.3,43.3 v1(5.7,43.3) ; v1(4.8,3.4) 5.9,3.4 C48.1@6.1,3.2 ; v1(4.8,4.9) C13.1@6.1,4.9 ; R10.1@7.6,33.7 v1(9,33.7) ; R6.1@7.6,38.5 v1(9,38.5) ; v1(13.7,20.3) C14.1@13.7,21.596 ; C14.1@13.704,21.6 v1(14.8,21.6) ; v1(16.4,19.1) C15.1@16.4,20.525 ; C15.1@16.475,20.6 v1(18.1,20.6) ; C10.1@17.4,9.9 C9.1@17.4,11.5 ; 17.4,10.7 v3(18.6,10.7) ; C37.2@19.4,13 v1(19.4,14.2) ; C38.2@19.4,20.2 v1(19.4,21.4) ; R24.1@19.7,40 v1(21.2,40) ; R20.1@19.7,44.9 v1(21.2,44.9) ; v1(20,27.9) C40.2@21.2,27.9 ; v1(20,31.2) C33.2@21.2,31.2 ; v1(20.1,9.6) 20.2,9.5 C47.2@21.3,9.5 ; v1(22.6,7) C30.2@23.8,7 ; C49.2@22.9,33.8 23,33.9 v1(23,36.5) ; C46.2@25.4,7 25.4,6.3 v1(25.8,5.9) ; C43.2@27.9,35 v1(27.9,36.2) ; v1(29.1,5.9) C44.2@29.1,7 ; v1(30.2,44.1) X2.2@31.86,44.1 ; X2.2@32,44.04 v1(32,45.5) ; v1(32.5,36.9) C31.2@33.7,36.9 ; v1(37.5,3.9) C28.2@37.5,5.1 ; C11.1@39.2,41.6 v1(39.2,42.8) ; C39.2@39.8,36.9 v1(41,36.9) ; v1(40.6,5.1) C32.2@43.2,5.1 ; v1(44.9,42) R37.2@46.2,42 ; v1(46.6,5.1) C25.2@46.6,7 ; v1(47,36.1) C34.2@47,35 v1(48.2,35) ; v1(48.6,15.9) C29.2@49.7,15.9 ; v1(49.7,9.4) C26.2@49.7,10.6 ; C42.2@49.7,21.1 v1(50.9,21.1) ; C36.2@49.7,25.5 v1(51,25.5) ; C41.2@49.7,31.7 v1(49.7,33) ; R36.2@50.6,43.9 v1(50.6,45.2) ; v1(53.2,11.9) C5.1@53.2,13.1 ; C2.1@53.2,21.8 v1(53.2,23) ; v1(56.5,9.8) U2.54@56.5,10.8 ; U2.52@56.5,12.7 v1(58.9,12.7) ; U2.46@56.5,17.5 v1(58.9,17.5) ; U2.41@56.5,21.5 v1(58.9,21.5) ; U2.28@56.5,32.2 v1(56.5,33.8) ; v1@57.405,3.595 U1.4@59.15,3.595 ; v1(65.6,19.9) U2.12@67.9,19.9 ; v1(65.7,15.1) U2.6@67.9,15.1 ; v1(66.1,4.3) C45.1@66.1,5.6 ; C8.1@69.8,8 v1(71.1,8) ; v1(71.1,3.9) C1.1@71.1,5.475 ; v1(71.2,9.2) C7.1@71.2,10.4 ; v1(71.2,14.6) C4.1@71.2,15.8 ; C6.1@71.2,23.3 v1(71.2,24.5) ; v1(71.2,29.2) C3.1@71.2,30.4
  Solder Side w0.5: v1(41,36.9) 42.6,38.5 Q1.2@43.05,38.5 ; Q2.2@46.35,38.5 46.35,37.25 47,36.6 v1(47,36.1) ; v1(48.2,35) 48.8,35 49.65,35.85 Q3.2@49.65,38.5 ; Q4.2@52.95,38.5 52.95,37.35 53.5,36.8 v1(55.2,36.8) ; v1(60.3,44.5) 60.65,44.85 61.9,44.85
  other v1: 57.4,3.6 -2.7,6.8 27.8,12.4 -8,13 -6,13 44.1,14.7 -6,15 -4,15 26.9,15.7 -4,17 33.85,19.35 34.95,19.35 36.05,19.35 37.15,19.35 44.1,20.1 33.85,20.45 37.15,20.45 -6.5,21.5 33.85,21.55 37.15,21.55 26.9,21.7 33.85,22.65 34.95,22.65 36.05,22.65 37.15,22.65 43.4,25.2 26.9,26.3 44.1,27.7 33.3,29.6 39.3,29.6 -0.5,36.2 -0.5,37.7 -0.5,39.2
  other v2: 35.5,21
GPIO0: J1.4 U5.6 | length 47.7
  Component Side w0.2: U5.6@29.25,10.2 29.25,15.85 v1(29.4,16)
  Solder Side w0.2: J1.4@12.24,47.17 18.1,41.31 18.1,25.384 20.884,22.6 26.919,22.6 28.75,20.769 28.75,16.65 v1(29.4,16)
GPIO1: J1.3 U5.7 | length 50.6
  Component Side w0.2: v1(29.7,17.1) 30.1,16.7 30.1,15 29.75,14.65 U5.7@29.75,10.2
  Solder Side w0.2: J1.3@12.24,49.71 13.6,48.35 13.6,46.376 18.5,41.476 18.5,25.549 21.049,23 27.085,23 29.15,20.935 29.15,17.65 v1(29.7,17.1)
GPIO2: J1.6 U5.8 | length 47.1
  Component Side w0.2: U5.8@30.25,10.2 30.25,12.05 30.5,12.3 v1(30.5,14)
  Solder Side w0.2: J1.6@14.78,47.17 14.78,45.761 18.9,41.641 18.9,25.715 21.215,23.4 27.251,23.4 29.55,21.101 29.55,18.169 30.45,17.269 30.45,14.05 v1(30.5,14)
GPIO3: J1.5 U5.10 | length 49.9
  Component Side w0.2: v1(31.1,14.8) 31.25,14.65 U5.10@31.25,10.2
  Solder Side w0.2: J1.5@14.78,49.71 16.1,48.39 16.1,45.007 19.3,41.807 19.3,25.881 21.381,23.8 27.416,23.8 29.95,21.266 29.95,18.335 31.1,17.185 v1(31.1,14.8)
GPIO4: J1.8 U5.11 | length 45.8
  Component Side w0.2: U5.11@31.7,10.25 U5.11@31.75,10.2 v1@31.75,15.95
  Solder Side w0.2: J1.8@17.32,47.17 17.32,44.353 19.7,41.973 19.7,32.7 21.1,31.3 21.1,25.803 22.703,24.2 27.582,24.2 30.35,21.432 30.35,18.501 31.792,17.059 31.792,16.008 v1(31.8,16)
GPIO5: J1.7 U5.12 | length 48.7
  Component Side w0.2: U5.12@32.25,10.2 32.25,11.881 32.15,11.981 32.15,15.266 32.5,15.616 v1(32.5,16.8)
  Solder Side w0.2: J1.7@17.32,49.71 18.6,48.43 18.6,43.638 20.1,42.138 20.1,32.866 21.5,31.466 21.5,25.969 22.869,24.6 27.748,24.6 30.75,21.598 30.75,18.666 32.448,16.969 v1@32.5,16.969
GPIO6: J1.10 U5.13 | length 46
  Component Side w0.2: U5.13@32.75,10.2 32.75,11.947 32.55,12.147 32.55,15.101 33.3,15.851 v1(33.3,16.3)
  Solder Side w0.2: J1.10@19.86,47.17 19.86,42.944 20.5,42.304 20.5,33.031 21.9,31.631 21.9,26.134 23.034,25 27.913,25 31.15,21.763 31.15,18.884 32.446,17.589 32.811,17.589 33.3,17.1 v1(33.3,16.3)
GPIO7: J1.9 U5.14 | length 49.5
  Component Side w0.2: U5.14@33.25,10.2 33.2,10.25 33.2,12.063 32.95,12.313 32.95,14.935 34.1,16.085 v1(34.1,16.8)
  Solder Side w0.2: J1.9@19.86,49.71 21.35,48.22 21.35,46.05 21.95,45.45 21.95,32.147 22.3,31.797 22.3,26.3 23.2,25.4 28.079,25.4 31.55,21.929 31.55,19.05 32.611,17.989 33.611,17.989 34.1,17.5 v1(34.1,16.8)
GPIO8: J1.12 U5.114 | length 27
  Component Side w0.2: U5.114@24.7,27.25 27.45,27.25 27.9,26.8 v1(27.9,26.3)
  Solder Side w0.2: J1.12@22.4,47.17 22.4,46.2 23.8,44.8 23.8,30.7 27.9,26.6 v1(27.9,26.3)
GPIO9: J1.11 U5.113 | length 31.7
  Component Side w0.2: U5.113@24.7,27.75 28.25,27.75 29.1,26.9 v1(29.1,26.3)
  Solder Side w0.2: J1.11@22.4,49.71 23.7,48.41 23.7,45.9 25.5,44.1 25.5,29.566 27.766,27.3 28.119,27.3 29.1,26.319 v1(29.1,26.3)
GPIO10: J1.14 U5.120 | length 30
  Component Side w0.2: U5.120@24.7,24.25 29.25,24.25 29.6,24.6 v1(29.6,25)
  Solder Side w0.2: J1.14@24.94,47.17 24.94,45.226 25.9,44.266 25.9,29.949 28.149,27.7 28.619,27.7 29.8,26.519 29.8,25.9 29.6,25.7 v1(29.6,25)
GPIO11: J1.13 U5.112 | length 34.5
  Component Side w0.2: U5.112@24.7,28.25 28.65,28.25 30.5,26.4 v1(30.5,25.4)
  Solder Side w0.2: J1.13@24.94,49.71 26.3,48.35 26.3,30.115 28.315,28.1 28.785,28.1 30.5,26.385 v1(30.5,25.4)
GPIO12: J1.16 U5.101 | length 30.1
  Component Side w0.2: U5.101@30.25,31.8 30.25,27.25 31.3,26.2 v1(31.3,25.9)
  Solder Side w0.2: J1.16@27.48,47.17 27.48,44.746 26.7,43.966 26.7,30.281 28.481,28.5 28.951,28.5 31.3,26.151 v1(31.3,25.9)
GPIO13: J1.15 U5.99 | length 34.7
  Component Side w0.2: U5.99@31.25,31.8 31.25,30.5 30.65,29.9 30.65,27.55 32.2,26 v1(32.7,26)
  Solder Side w0.2: J1.15@27.48,49.71 28.7,48.49 28.7,45.4 27.1,43.8 27.1,32.2 29.266,30.034 29.266,28.949 32.215,26 v1(32.7,26)
GPIO14: J1.18 U5.131 | length 37.5
  Component Side w0.2: U5.131@24.7,18.75 28.019,18.75 31.15,21.881 31.15,24.381 32.069,25.3 33.034,25.3 v1@33.717,25.983
  Solder Side w0.2: J1.18@30.02,47.17 30.02,45.42 29.1,44.5 29.1,38.3 30.35,37.05 30.35,28.431 32.131,26.65 33.05,26.65 v1(33.7,26)
GPIO15: J1.17 U5.98 | length 27.2
  Component Side w0.2: v1(31.7,28) 31.1,28.6 31.1,29.666 31.75,30.316 U5.98@31.75,31.8
  Solder Side w0.2: J1.17@30.02,49.71 31.3,48.43 31.3,37.335 30.75,36.785 30.75,28.95 v1(31.7,28)
GPIO16: J1.20 U5.97 | length 25.2
  Component Side w0.2: U5.97@32.25,31.8 32.25,30.15 31.8,29.7 31.8,29 32.5,28.3 v1(32.5,27.5)
  Solder Side w0.2: v1(32.5,27.5) 32.5,30.9 33.4,31.8 33.4,46.1 32.65,46.85 32.65,47.08 J1.20@32.56,47.17
GPIO17: J1.19 U5.96 | length 28
  Component Side w0.2: U5.96@32.75,31.8 32.75,29.969 32.4,29.619 32.4,29.1 33.4,28.1 v1(33.4,27.5)
  Solder Side w0.2: J1.19@32.56,49.71 33.9,48.37 33.9,44.9 34.1,44.7 34.1,29.481 33.4,28.781 v1(33.4,27.5)
GPIO18: J1.22 U5.93 | length 24.5
  Component Side w0.2: U5.93@34.25,31.8 34.25,27.55 v1(34.3,27.5)
  Solder Side w0.2: v1(34.3,27.5) 34.3,28.9 34.65,29.25 34.65,44.65 35.1,45.1 J1.22@35.1,47.17 J1.22@35.2,47.07
GPIO19: J1.21 U5.92 | length 29.9
  Component Side w0.2: U5.92@34.75,31.8 34.75,28.55 35,28.3 v1(35,26.3)
  Solder Side w0.2: v1(35,26.3) 35.05,26.35 35.05,35.644 36.15,36.744 36.15,48.66 J1.21@35.1,49.71
GPIO20: J1.24 U5.91 | length 25
  Component Side w0.2: U5.91@35.25,31.8 35.25,28.916 35.7,28.466 v1(35.7,27.5)
  Solder Side w0.2: v1(35.7,27.5) 35.7,35.728 36.6,36.628 36.6,43.3 37.64,44.34 J1.24@37.64,47.17
GPIO21: J1.23 U5.89 | length 28.5
  Component Side w0.2: U5.89@36.25,31.8 36.25,30.35 36,30.1 36,28.8 36.6,28.2 v1(36.6,27.5)
  Solder Side w0.2: v1(36.6,27.5) 36.6,28.3 36.15,28.75 36.15,35.613 37,36.463 37,43.031 38.69,44.721 38.69,48.66 J1.23@37.64,49.71